# KiCad board MOSFET_jr.kicad_pcb
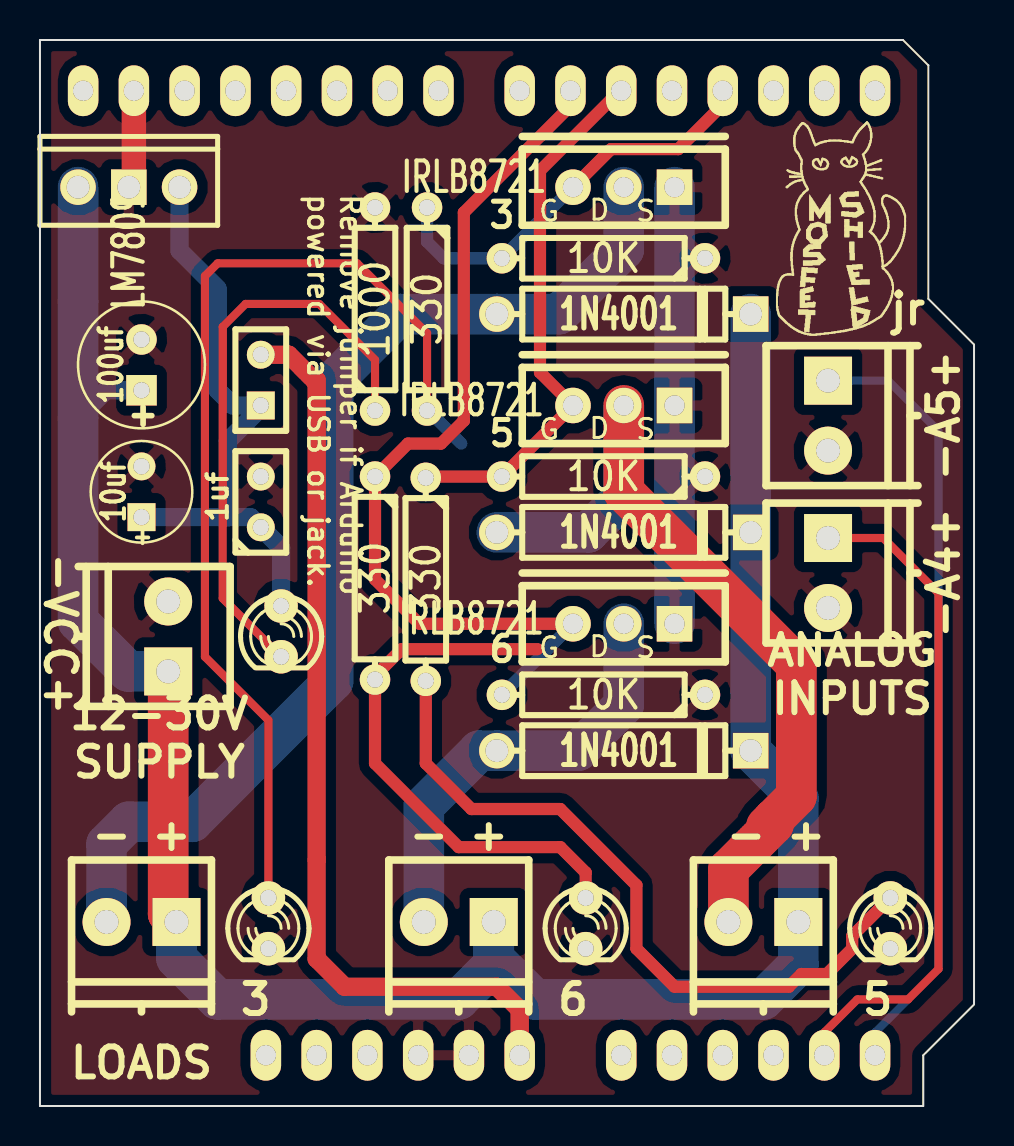
[diagram p0: board, top side]
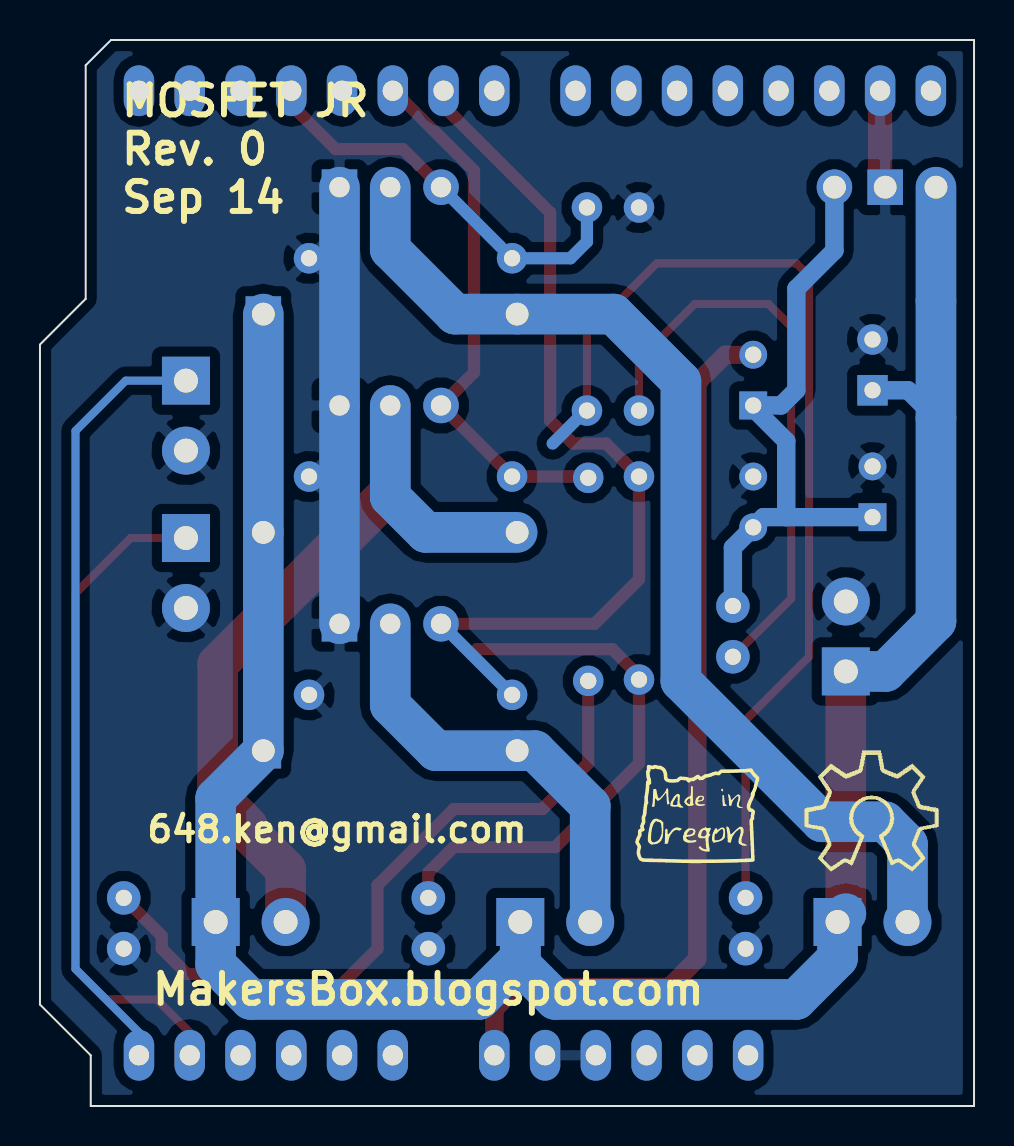
[diagram p1: board, bottom side, seen from below]

Outline 46.74 x 53.34 mm; copper layers: Top, Bottom. Coordinates in mm from the lower left corner of the outline.
Outline path: 0,53.34 0,0 44.2,0 44.2,2.54 46.74,5.08 46.74,38.1 44.45,40.39 44.45,52.07 43.18,53.34 0,53.34

## Placement (name value [footprint] x y rotation side)
C1  100uf  [C1V7]  5.08 37.08 90 top
C2  10uf  [C1V5]  5.08 30.73 90 top
C3  1uf  [C1]  11.05 30.23 90 top
D4  1N4001  [D5]  29.21 39.62 0 top
D5  1N4001  [D5]  29.21 17.78 0 top
D6  1N4001  [D5]  29.21 28.7 0 top
D8  LED  [LED-3MM]  12.06 23.75 270 top
D14  LED  [LED-3MM]  11.43 9.14 270 top
D15  LED  [LED-3MM]  27.3 9.14 270 top
D16  LED  [LED-3MM]  42.55 9.14 270 top
JP1  JUMPER  [SIL-2]  11.05 36.32 90 top
Mosfet  -  [Mosfet]  36.83 49.28 0 top
OSHW_r_silk_23  -  [OSHW_r_silk_23]  1.78 17.78 0 top
P4  LOAD_4  [pt_1,5-2-3,5-h]  5.08 8.51 0 top
P5  LOAD_5  [pt_1,5-2-3,5-h]  20.95 8.51 0 top
P6  LOAD_6  [pt_1,5-2-3,5-h]  36.2 8.51 0 top
P7  INPUT_1  [pt_1,5-2-3,5-h]  40.13 26.67 90 top
P8  VCC  [pt_1,5-2-3,5-h]  5.72 23.5 270 top
P9  INPUT_2  [pt_1,5-2-3,5-h]  40.13 34.54 90 top
Q4  IRLB8721  [TO220_MOSFET_HTSHIELD]  29.21 45.97 0 top
Q5  IRLB8721  [TO220_MOSFET_HTSHIELD]  29.21 24.13 0 top
Q6  IRLB8721  [TO220_MOSFET_HTSHIELD]  29.21 35.05 0 top
R4  10K  [R4]  28.19 42.42 180 top
R5  10K  [R4]  28.19 20.57 180 top
R6  10K  [R4]  28.19 31.5 180 top
R8  1000  [R4]  16.76 39.88 90 top
R14  330  [R4]  19.37 39.88 270 top
R15  330  [R4]  16.76 26.42 270 top
R16  330  [R4]  19.3 26.35 270 top
SHIELD1  ARDUINO_SHIELD  [ARDUINO_SHIELD_040pins]  -21.72 0 0 top
U1  LM7809  [LM78XXV]  4.45 45.97 90 top
VAL  -  [MadeInOregonRev25]  13.84 14.61 0 top

## Footprints (pads in the part's own frame, mm; a bottom-side part is the same pattern mirrored in y, then rotated)
ARDUINO_SHIELD_040pins
  oval 1.524x2.54 hole 1.016: 0(63.5,50.8) 1(60.96,50.8) 2(58.42,50.8) 3(55.88,50.8) 3V3(35.56,2.54) 4(53.34,50.8) 5(50.8,50.8) 5V(38.1,2.54) 6(48.26,50.8) 7(45.72,50.8) 8(41.656,50.8) 9(39.116,50.8) 10(36.576,50.8) 11(34.036,50.8) 12(31.496,50.8) 13(28.956,50.8) AD0(50.8,2.54) AD1(53.34,2.54) AD2(55.88,2.54) AD3(58.42,2.54) AD4(60.96,2.54) AD5(63.5,2.54) AREF(23.876,50.8) GND1(40.64,2.54) GND2(43.18,2.54) GND3(26.416,50.8) RST(33.02,2.54) V_IN(45.72,2.54)
C1
  round 1.397 hole 0.813: 1(-1.27,0) 2(1.27,0)
C1V5
  rect 1.397x1.397 hole 0.813: 1(-1.27,0)
  round 1.397 hole 0.813: 2(1.27,0)
C1V7
  rect 1.524x1.524 hole 0.813: 1(-1.27,0)
  round 1.524 hole 0.813: 2(1.27,0)
D5
  round 1.778 hole 1.143: 1(-6.35,0)
  rect 1.778x1.778 hole 1.143: 2(6.35,0)
LED-3MM
  round 1.676 hole 0.813: 1(-1.27,0) 2(1.27,0)
LM78XXV
  rect 1.778x1.778 hole 1.143: GND(0,0)
  round 1.778 hole 1.143: VI(0,2.54) VO(0,-2.54)
pt_1,5-2-3,5-h
  rect 2.4x2.4 hole 1.2: 1(1.75,0.7)
  round 2.4 hole 1.2: 2(-1.75,0.7)
R4
  round 1.524 hole 0.813: 1(-5.08,0) 2(5.08,0)
SIL-2
  rect 1.397x1.397 hole 0.813: 1(-1.27,0)
  round 1.397 hole 0.813: 2(1.27,0)
TO220_MOSFET_HTSHIELD
  round 1.778 hole 1.016: D(0,0) G(-2.54,0)
  rect 1.778x1.778 hole 1.016: S(2.54,0)

## Nets
+9V: JP1.2 SHIELD1.V_IN
GND: C1.2 C2.2 C3.2 D14.2 D15.2 D16.2 P7.2 P8.2 P9.2 Q4.S Q5.S Q6.S R4.1 R5.1 R6.1 R8.2 SHIELD1.GND1 SHIELD1.GND2 SHIELD1.GND3 U1.GND
VCC: C1.1 D4.2 D5.2 D6.2 P4.1 P5.1 P6.1 P8.1 U1.VI
N-000001: D14.1 R14.2
N-000002: D15.1 R15.2
N-000003: Q6.G R6.2 R16.1 SHIELD1.5
N-000004: D16.1 R16.2
N-000005: D6.1 P6.2 Q6.D
N-000006: P9.1 SHIELD1.AD5
N-000007: P7.1 SHIELD1.AD4
N-0000030: D8.2 R8.1
N-0000031: C2.1 C3.1 D8.1 JP1.1 U1.VO
N-0000032: Q5.G R5.2 R15.1 SHIELD1.6
N-0000033: D5.1 P5.2 Q5.D
N-0000034: Q4.G R4.2 R14.1 SHIELD1.3
N-0000035: D4.1 P4.2 Q4.D

Pads without a net: SHIELD1 0 1 2 3V3 4 5V 7 8 9 10 11 12 13 AD0 AD1 AD2 AD3 AREF RST

## Routing (per net, layer and track width the routed paths; a pad name or vN(x,y) marks a point on that pad's centre or on a via; arc(x,y) is an arc through that point)
+9V: length 45.8
  Top w0.914: JP1.2 12.45,37.59 13.72,36.32 13.84,36.32 13.84,7.37 15.24,5.97 22.86,5.97 24,4.83 SHIELD1.V_IN
GND: length 26.8
  Top w1.219: U1.GND 4.7,46.23 SHIELD1.GND3
  Bottom w2.032: Q4.S Q6.S Q5.S
VCC: length 117.9
  Top w2.032: P4.1 6.42,9.62 P8.1
  Bottom w0.914: 1.91,34.42 3.3,35.81 C1.1
  Bottom w2.032: P8.1 4.42,21.75 1.91,24.26 U1.VI ; 6.42,9.62 P4.1 6.83,7.39 8.89,5.33 20.95,5.33 22.7,7.08 P5.1 22.7,7.39 24.77,5.33 36.2,5.33 37.95,7.08 P6.1 37.95,15.4 D5.2 D6.2 D4.2
N-000001: length 51.5
  Top w0.406: D14.1 11.43,19.3 8.26,22.48 8.26,41.53 8.89,42.16 15.88,42.16 19.37,38.67 R14.2
  Bottom w0.61: 21.08,33.15 19.43,34.8 R14.2
N-000002: length 27.1
  Top w0.61: 24.89,22.86 18.1,22.86 16.76,21.53 R15.2 16.76,17.15 20.95,12.95 26.04,12.95 27.3,11.68 D15.1
N-000003: length 27
  Top w0.61: R16.1 19.37,31.5 R6.2 Q6.G 25.02,36.7 25.02,46.8 29.02,50.8 29.08,50.8
N-000004: length 36.3
  Top w0.61: 19.43,21.15 R16.2 19.3,17.15 21.59,14.86 26.04,14.86 29.85,11.05 29.85,7.87 31.75,5.97 37.46,5.97 38.1,6.6 39.37,6.6 40.64,7.87 40.64,8.51 D16.1
N-000005: length 43
  Top w2.032: 36.35,14 36.7,14.35 ; 36.7,14.35 37.85,15.49 37.85,22.1 29.21,30.73 Q6.D ; 36.7,14.35 36.7,14.1 34.45,11.84 P6.2
  Bottom w2.032: D6.1 27.43,28.7 29.21,30.48 Q6.D
N-000006: length 39.1
  Bottom w0.406: P9.1 42.45,36.29 44.96,33.78 44.96,6.86 41.78,3.68 SHIELD1.AD5
N-000007: length 33.6
  Top w0.406: P7.1 42.19,28.42 44.96,25.65 44.96,6.86 43.43,5.33 40.89,5.33 39.24,3.68 SHIELD1.AD4
N-0000030: length 29.5
  Top w0.406: D8.2 9.14,25.4 9.14,38.99 10.29,40.13 13.97,40.13 16.76,37.34 R8.1
N-0000031: length 30.5
  Bottom w0.914: 6.98,45.97 6.98,42.8 8.89,40.89 8.89,35.81 9.65,35.05 JP1.1 11.05,34.93 9.4,33.27 9.4,29.46 ; 9.4,29.46 10.54,29.46 C3.1 12.06,27.94 D8.1 11.81,25.02 ; 9.4,29.46 C2.1
N-0000032: length 45.3
  Top w0.61: Q5.G 18.99,24.13 16.76,26.35 R15.1 18.42,33.15 20.07,33.15 21.21,34.29 21.21,44.7 26.54,50.04 SHIELD1.6
  Bottom w0.61: R5.2 Q5.G
N-0000033: length 22
  Bottom w2.032: P5.2 19.2,15.01 21.97,17.78 D5.1 26.92,17.78 29.21,20.07 Q5.D
N-0000034: length 20.7
  Top w0.61: Q4.G 28.58,47.88 31.94,47.88 34.16,50.1 SHIELD1.3
  Bottom w0.61: R14.1 19.37,43.24 20.19,42.42 R4.2 Q4.G
N-0000035: length 54
  Bottom w2.032: P4.2 3.33,13.11 4.45,14.22 7.62,14.22 14.67,21.27 14.67,36.26 18.03,39.62 D4.1 25.97,39.62 29.21,42.86 Q4.D

## Copper pours and planes (outline as drawn; the poured copper is in the pictures)
GND on Top: 48.26,-2.29 -22.86,-2.29 -22.86,56.13 48.26,56.13
GND on Bottom: 48.26,-2.29 -22.86,-2.29 -22.86,56.13 48.26,56.13

## Text on the board
B.SilkS: 648.ken@gmail.com | MOSFET JR / Rev. 0 / Sep 14 | MakersBox.blogspot.com
F.SilkS: Remove jumper if Arduino / powered via USB or jack. | 3 | 5 | 6 | - + | LOADS | 12-30V / SUPPLY | ANALOG / INPUTS | jr | -A5+ | -A4+ | -VCC+
